# Altium PCB MB1635.PcbDoc (part 7 of 10) (continued)
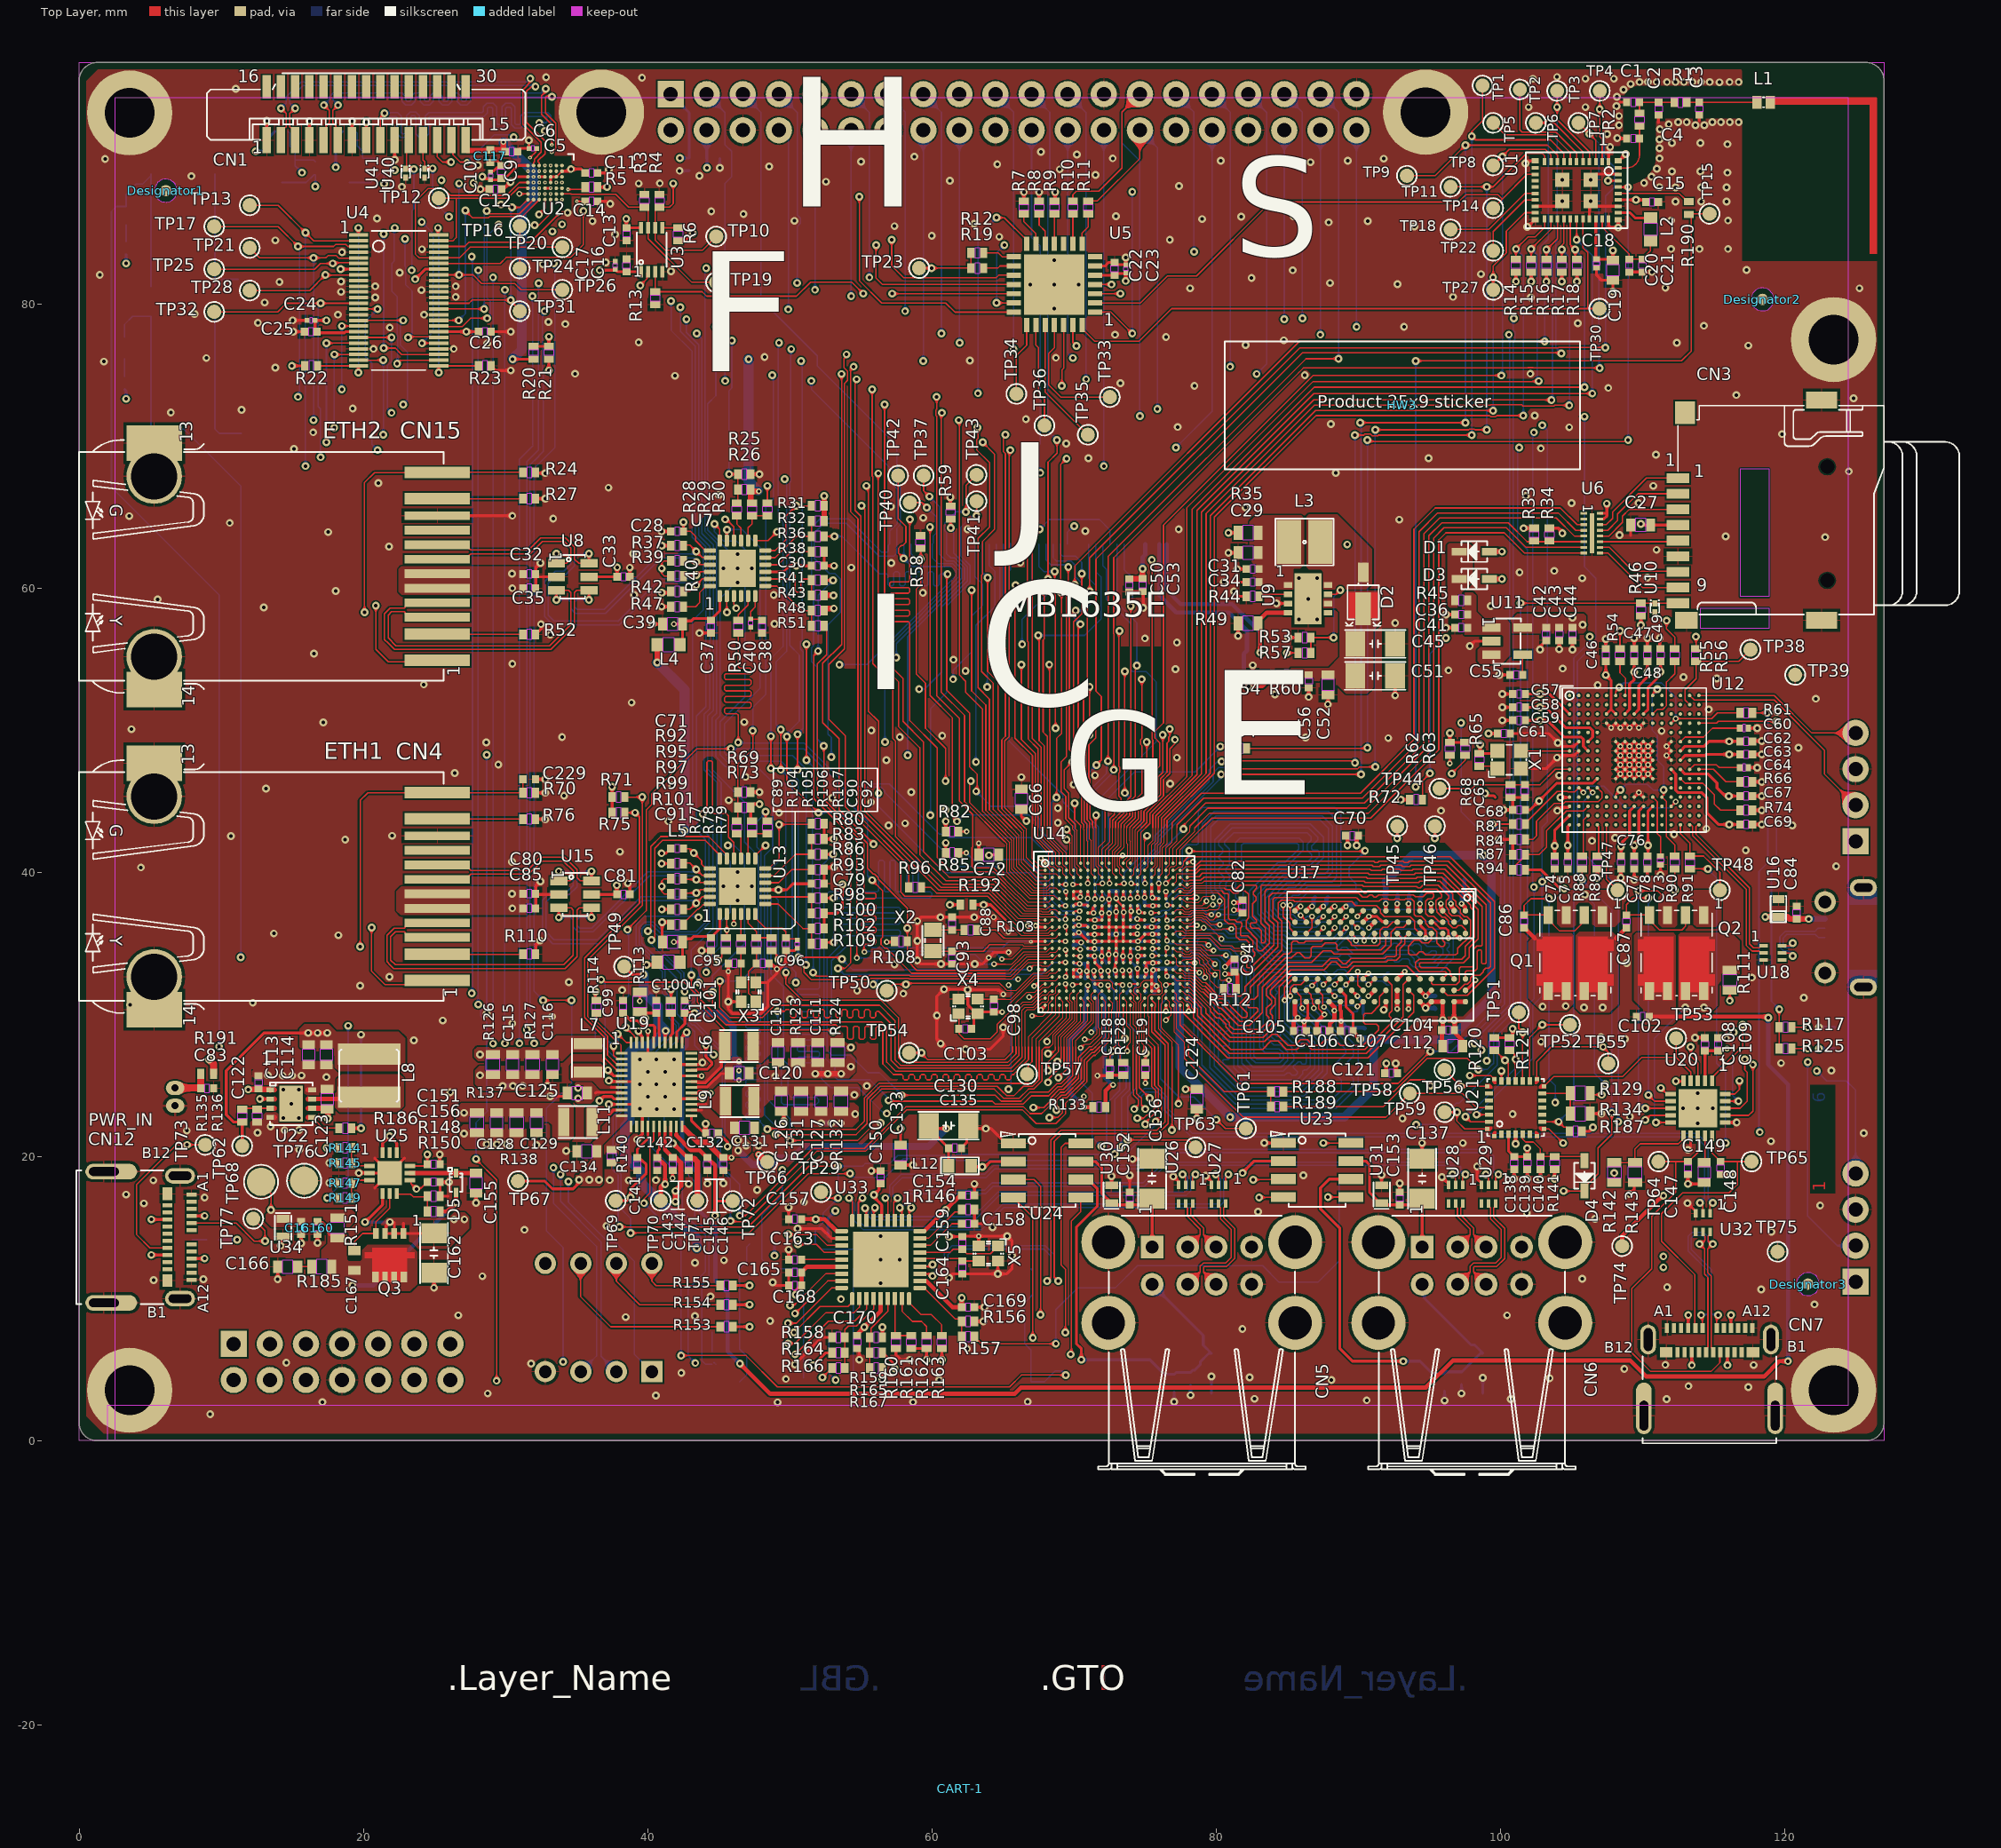
[diagram p0: Top Layer view]
## Nets (pads, with @x,y where several pads share a name; then routed paths per layer and width w, separated by ;. In a path a pad name is that pad's centre, name@x,y a point inside that pad or via, vN(x,y) a via of type N, cw(c..) or ccw(c..) an arc to the next point about the centre after c; other vN are vias at no path point) (continued)
NetC151_2: C151.2 CN12.B5 TP73.1 U25.9 | length 32.6
  Top Layer w0.1: CN12.B5@6.21,13.575 4.975,13.575 4.05,14.5 4.05,18.04 6.838,20.828 v1(7.597,20.828) TP73.1@8.456,20.828 ; U25.9@23.27,19.339 24.37,19.339 C151.2@24.495,19.464 24.5,19.47 v1(24.5,20.15)
  Signal Layer 2 w0.1: v1(7.597,20.828) 14.147,20.828 16.05,18.925 18.025,18.925 18.875,18.075 22.505,18.075 24.5,20.07 v1(24.5,20.15)
NetC155_1: C155.1 D5.2 U25.8 | length 4.6
  Top Layer w0.3: U25.8@23.27,18.839 D5.2@26.52,18.839 C155.1@27.92,18.839
NetC156_2: C156.2 CN12.A5 TP77.1 U25.7 | length 22.6
  Top Layer w0.1: CN12.A5@7.91,15.325 11.05,15.325 12.325,14.05 v1(13.076,14.05) 13.076,14.799 TP77.1@12.25,15.625 ; U25.7@23.27,18.339 U25.7@23.352,18.257 ; U25.7@23.359,18.25 U25.7@23.352,18.257 ; C156.2@24.459,18.25 C156.2@24.495,18.214 ; C156.2@24.5,18.225 24.5,18.195 24.29,17.984 24.259,17.984 24.063,17.788 23.788,17.788 v1(23.725,17.725) 23.352,18.098 U25.7@23.352,18.257
  Signal Layer 2 w0.1: v1(13.076,14.05) 13.626,14.6 22.175,14.6 23.725,16.15 23.725,16.6 v1(23.725,17.725)
NetC158_2: C158.2 U33.34 | length 3.6
  Top Layer w0.1: U33.34@59.15,13.75 59.9,13.75 61.425,15.275 C158.2@62.1,15.275
NetC159_2: C159.2 U33.33 X5.1 | length 5.9
  Top Layer w0.1: U33.33@59.15,13.25 61.275,13.25 61.5,13.475 C159.2@62.15,13.475 62.45,13.175 64.125,13.175 X5.1@64.65,13.7
NetC160_1: C160.1 C167.2 D5.1 Q3.5 Q3.6 Q3.7 Q3.8 R150.2 R151.2 R185.2 | length 13.9
  Top Layer w0.2: C160.1@16.77,15.439 16.841,15.368 17.141,15.368 17.52,14.989 17.52,14.623 17.628,14.514 17.652,14.514 17.657,14.509 17.95,14.509 R151.2@18.17,14.289
  Top Layer w0.3: R150.2@25.395,16.139 25.895,16.139 v1(26.52,16.764) D5.1@26.52,17.489
  Bottom Layer w0.3: v1(19.225,10.929) 20.684,10.929 v1(26.52,16.764)
NetC161_2: C161.2 CN12.A4 CN12.A9 CN12.B4 CN12.B9 R151.1 TP68.1 U34.1 | length 6.4
  Top Layer w0.1: TP68.1@12.8,18.225 12.8,18.081 13.5,17.381 v1(13.5,16.25)
  Top Layer w0.2: v1(5.075,13.075) CN12.B4@6.21,13.075 ; v1(5.075,15.575) CN12.B9@6.21,15.575 ; CN12.A9@7.91,12.825 v1(8.825,12.825) ; CN12.A4@7.91,15.825 v1(8.825,15.825)
NetC163_2: C163.2 U33.14 | length 2.8
  Top Layer w0.1: C163.2@50.825,12.75 U33.14@53.65,12.75
NetC164_2: C164.2 U33.32 X5.3 | length 4.3
  Top Layer w0.1: U33.32@59.15,12.75 59.225,12.825 61.975,12.825 C164.2@62.15,12.65 X5.3@63.3,12.65
NetC166_2: C166.2 R185.1 | length 1
  Top Layer w0.1: C166.2@15.375,12.25 R185.1@16.375,12.25
NetC167_1: C167.1 Q3.4 U25.5 | length 5.8
  Top Layer w0.1: C167.1@19.37,13.139 19.37,14.014 19.945,14.589 Q3.4@20.87,14.589 20.87,15.389 21.845,16.364 U25.5@21.845,17.414
NetC216_1: C216.1 U14.W15 | length 1
  Top Layer w0.1: U14.W15@74.974,31.65 74.975,31.919 75.054,31.997 v2(75.054,32.051)
  Bottom Layer w0.2: C216.1@75.025,31.5 75.1,31.575 75.054,31.621 v2(75.054,32.051)
NetC217_1: C217.1 U14.V14 | length 1.3
  Top Layer w0.1: v2(73.925,32.075) 74.081,32.075 74.156,32.15 U14.V14@74.474,32.15
  Bottom Layer w0.2: C217.1@73.725,31.475 73.725,31.575 73.925,31.775 v2(73.925,32.075)
NetC219_1: C219.1 C220.2 R133.1 U14.W7 | length 10.5
  Top Layer w0.09: U14.W7@70.975,31.65 v2(70.975,32.05)
  Top Layer w0.3: v2@70.75,23.475 R133.1@71.325,23.475
  Bottom Layer w0.3: v2@70.725,23.5 69.675,24.55 69.675,28.175 70.755,29.255 C220.2@70.755,30.545 70.755,31.12 C219.1@70.88,31.245 70.88,31.955 v2(70.975,32.05)
  other v2: 70.725,23.475
NetC221_2: C221.2 C222.2 CN7.A4 CN7.A9 CN7.B4 CN7.B9 R111.1 R129.2 R142.2 TP74.1 U20.9 U36.1 | length 12.7
  Top Layer w0.1: R129.2@106.325,24.45 106.425,24.35 v1(107.15,24.35) ; v1(108.025,18.85) R142.2@108.025,18.175 108.025,18.125 R142.2@108.05,18.1 ; v1(110.2,22.575) 110.525,22.9 U20.9@111.975,22.9 ; v1(116.15,30.975) R111.1@116.15,31.725
  Top Layer w0.2: CN7.A4@113.225,7.935 v1(113.225,8.85) ; v1(113.475,5.32) CN7.B9@113.475,6.235 ; v1(115.975,5.32) CN7.B4@115.975,6.235 ; CN7.A9@116.225,7.935 v1(116.225,8.85)
  Top Layer w0.3: TP74.1@108.575,13.7 108.584,13.709 108.584,14.434 111.381,17.231 111.456,17.231 v1(111.475,17.25)
  other v1: 111.475,12.2 111.475,12.975
NetC224_2: C224.2 C226.2 CN6.B1 U23.6 U38.1 | length 32.4
  Top Layer w0.2: U23.6@89.475,18.415 87.965,18.415 87.35,17.8 87.35,16.325 88.7,14.975 88.7,6.5 89.6,5.6 v1(93.175,5.6)
  Bottom Layer w0.2: v1(93.175,5.6) 94.35,5.6 95.225,4.725 U38.1@96.075,4.725 96.2,4.85 C226.2@97.275,4.85 97.3,4.85 97.455,5.005 97.985,5.535 97.985,5.55 98.585,6.15 C224.2@98.775,6.15 98.175,6.75 97.925,6.75 94.648,10.027 94.648,10.862 CN6.B1@94.5,11.01
NetC225_2: C225.2 C227.2 CN5.B1 U24.6 U39.1 | length 31.1
  Top Layer w0.2: U24.6@70.475,18.39 70.985,18.39 71.65,17.725 71.65,16.525 70.175,15.05 70.175,6.825 70.525,6.475 v1(70.525,5.7)
  Bottom Layer w0.2: v1(70.525,5.7) 75.35,5.7 76.375,4.675 U39.1@77.05,4.675 77.175,4.8 C227.2@78.2,4.8 78.355,4.955 78.48,4.955 78.885,5.36 78.885,5.55 79.485,6.15 C225.2@79.675,6.15 79.1,6.725 79.1,7.41 CN5.B1@75.5,11.01
NetC229_2: C229.2 CN4.12 R70.2 R104.2 U13.2 | length 51.1
  Top Layer w0.1: v1(19.775,34.775) 19.775,45.075 20.31,45.61 CN4.12@25.2,45.61 31.215,45.61 R70.2@31.225,45.6 C229.2@31.225,46.55 ; R104.2@45.5,35.4 45.575,35.475 v2(45.575,35.95) U13.2@45.575,37.075
  Signal Layer 2 w0.219: v1(19.775,34.775) 19.844,34.775 20.069,34.55 23.717,34.55 40.575,34.55 41.975,35.95 v2(45.575,35.95)
NetCN3_1: CN3.1 U6.14 | length 7.1
  Top Layer w0.1: U6.14@107.025,64.475 107.46,64.475 107.9,64.915 107.9,65.365 110.285,67.75 CN3.1@112.5,67.75
NetCN3_2: CN3.2 U6.13 | length 6.8
  Top Layer w0.1: U6.13@107.025,64.075 107.555,64.075 108.25,64.77 108.25,65.22 109.68,66.65 CN3.2@112.5,66.65
NetCN3_3: CN3.3 U6.12 | length 6.5
  Top Layer w0.1: U6.12@107.025,63.675 107.65,63.675 108.6,64.625 108.6,65.075 109.075,65.55 CN3.3@112.5,65.55
NetCN3_5: CN3.5 U6.11 | length 5.5
  Top Layer w0.1: U6.11@107.025,63.275 112.425,63.275 CN3.5@112.5,63.35
NetCN3_7: CN3.7 U6.10 | length 6.2
  Top Layer w0.1: U6.10@107.025,62.875 107.675,62.875 109.35,61.2 112.45,61.2 CN3.7@112.5,61.15
NetCN3_8: CN3.8 U6.9 | length 6.5
  Top Layer w0.1: U6.9@107.025,62.475 107.575,62.475 110,60.05 CN3.8@112.5,60.05
NetCN4_1: CN4.1 U13.3 | length 35
  Top Layer w0.1: v1(20.575,36.125) 20.575,33.05 21.525,32.1 24.91,32.1 CN4.1@25.2,32.39 ; v2(46.072,36.371) 46.072,37.072 U13.3@46.075,37.075
  Signal Layer 2 w0.1: v1(20.575,36.125) 38.075,36.125 38.9,36.95 41.4,36.95 41.979,36.371 v2(46.072,36.371)
NetCN4_2: CN4.2 R110.2 | length 4
  Top Layer w0.1: CN4.2@27.2,34.23 31.205,34.23 R110.2@31.225,34.25
NetCN4_11: CN4.11 R76.2 | length 6
  Top Layer w0.1: CN4.11@25.2,43.77 31.205,43.77 R76.2@31.225,43.75
NetCN15_1: CN15.1 U7.3 | length 34.5
  Top Layer w0.1: v1(20.875,58.775) 20.875,55.7 21.75,54.825 25.105,54.825 CN15.1@25.2,54.92 ; U7.3@46.075,59.45 46.075,58.872 46.225,58.722 v1(46.225,58.6)
  Signal Layer 2 w0.1: v1@20.875,58.75 39.197,58.75 39.622,59.175 41.3,59.175 41.75,58.725 46.1,58.725 v1(46.225,58.6)
NetCN15_2: CN15.2 R52.2 | length 6
  Top Layer w0.1: CN15.2@25.2,56.76 31.215,56.76 R52.2@31.225,56.75
NetCN15_11: CN15.11 R27.2 | length 6
  Top Layer w0.1: CN15.11@25.2,66.3 R27.2@31.225,66.3
NetCN15_12: CN15.12 R24.2 U7.2 | length 47.3
  Top Layer w0.1: v1(20.075,58.3) 20.075,67.429 20.786,68.14 CN15.12@25.2,68.14 25.222,68.162 31.213,68.162 R24.2@31.225,68.15 ; v1(45.575,58.3) U7.2@45.575,59.45
  Signal Layer 2 w0.1: v1(20.075,58.3) 20.125,58.25 45.525,58.25 v1(45.575,58.3)
NetD1_2: D1.2 D3.2 R45.1
NetD2_1: D2.1 L3.2 U9.8
NetL2_1: L2.1 U1.34 | length 2.4
  Top Layer w0.2: U1.34@108.3,86.425 109.125,86.425 109.5,86.05 L2.1@110.575,86.05
NetL6_1: L6.1 U19.29 | length 4.2
  Top Layer w0.2: U19.29@43.075,25.275 43.456,25.275 43.53,25.201 44.076,25.201 45.192,26.317 45.192,27.517 L6.1@45.475,27.8
NetL7_1: L7.1 U19.7 | length 0.7
  Top Layer w0.2: 37.428,24.875 U19.7@38.175,24.875
NetL8_1: L8.1 U22.7 | length 3.6
  Top Layer w0.3: U22.7@16.4,24.05 L8.1@20,24.05
NetL9_1: L9.1 U19.25 | length 1
  Top Layer w0.2: U19.25@43.075,23.675 43.525,23.675 43.549,23.651 44.076,23.651 44.1,23.675
NetL11_1: L11.1 U19.11 | length 1
  Top Layer w0.2: 37.275,22.95 37.6,23.275 U19.11@38.175,23.275
NetL12_2: L12.2 U23.2 U24.2 | length 25
  Top Layer w0.2: L12.2@62.775,19.35 62.85,19.275 v1(63.55,19.275) 63.75,19.275 64.135,19.66 U24.2@65.725,19.66 ; v1(81.854,18.851) 81.854,18.854 82.685,19.685 U23.2@84.725,19.685
  Signal Layer 2 w0.2: v1(63.55,19.275) 63.55,19.325 63.575,19.35 77.295,19.35 77.37,19.425 81.225,19.425 81.799,18.851 v1(81.854,18.851)
NetLD1_1: LD1.1 R152.1 | length 1
  Bottom Layer w0.1: LD1.1@7.95,14.15 R152.1@8.975,14.15
NetLD2_1: LD2.1 R157.1 | length 36.6
  Top Layer w0.1: R157.1@63,7.325 63,7.23 63.205,7.025 63.3,7.025 63.5,6.825 v1(68.725,6.825)
  Bottom Layer w0.1: v1(68.725,6.825) 68.725,9.225 70.25,10.75 72.9,10.75 74.475,12.325 83.275,12.325 84.425,11.175 87.175,11.175 88.65,12.65 LD2.1@88.65,18.3 LD2.1@88.47,18.48
NetLD3_1: LD3.1 R172.1 | length 1.2
  Bottom Layer w0.1: R172.1@3.305,84.388 LD3.1@3.305,85.563
NetLD4_1: LD4.1 R174.1 | length 1.3
  Bottom Layer w0.1: R174.1@3.205,74.888 LD4.1@3.205,76.163
NetLD5_1: LD5.1 R125.1 | length 2.2
  Top Layer w0.1: R125.1@120.525,27.6 v1(121.625,27.6)
  Bottom Layer w0.1: LD5.1@120.525,27.6 v1(121.625,27.6)
NetLD5_2: LD5.2 R117.1 | length 2.1
  Top Layer w0.1: R117.1@120.525,29.1 v1@121.5,29.1
  Bottom Layer w0.1: LD5.2@120.525,29.1 v1(121.625,29.1)
NetLD6_1: LD6.1 R184.2 | length 1.4
  Bottom Layer w0.1: R184.2@44.525,6.275 LD6.1@44.525,7.675
NetLD7_1: LD7.1 R183.2 | length 1.4
  Bottom Layer w0.1: R183.2@52.75,6.275 LD7.1@52.75,7.675
NetR3_1: R3.1 TP19.1 U2.A6 U3.7 | length 14.6
  Top Layer w0.1: U2.A6@33.975,87.75 34.6,87.75 34.625,87.725 37.75,87.725 38.66,86.815 R3.1@39.765,86.815 39.835,86.815 40.04,86.61 U3.7@40.04,85.365 40.04,84.599 43.114,81.525 TP19.1@44.823,81.525
NetR4_1: R4.1 TP10.1 U2.F3 U3.6 | length 29.5
  Top Layer w0.1: v1(41.8,88.475) 41.8,87.075 41.54,86.815 R4.1@40.84,86.815 40.745,86.815 40.54,86.61 U3.6@40.54,85.365 40.54,84.494 41.258,83.775 43.848,83.775 TP10.1@44.823,84.75
  Signal Layer 1 w0.1: v1(27.75,88.525) 29.3,88.525 29.775,89 31.898,89 31.948,88.95 v3(31.975,88.95)
  Signal Layer 2 w0.1: v1(27.75,88.525) 29.25,88.525 29.75,89.025 30.629,89.025 31.879,87.775 41.1,87.775 v1(41.8,88.475)
NetR5_2: R5.2 U2.B4 | length 2.3
  Top Layer w0.1: v3(34.4,88.07) 35.445,88.07 R5.2@35.6,88.225
  Signal Layer 1 w0.1: v3(33.575,88.55) 34.055,88.07 v3(34.4,88.07)
NetR6_1: R6.1 U3.5 | length 1.1
  Top Layer w0.1: U3.5@41.04,85.365 R6.1@42.14,85.365
NetR7_2: R7.2 U5.13 | length 2.5
  Top Layer w0.1: R7.2@66.475,86.35 66.475,85.8 67.325,84.95 U5.13@67.325,84.225
NetR8_2: R8.2 U5.12 | length 2.3
  Top Layer w0.1: R8.2@67.55,86.35 67.55,85.55 67.975,85.125 U5.12@67.975,84.225
NetR9_2: R9.2 U5.11 | length 2.1
  Top Layer w0.1: U5.11@68.625,84.225 R9.2@68.625,86.35
NetR10_2: R10.2 U5.9 | length 2.1
  Top Layer w0.1: U5.9@69.925,84.225 R10.2@69.925,86.35
NetR11_2: R11.2 U5.8 | length 2.3
  Top Layer w0.1: U5.8@70.575,84.225 70.575,85 71,85.425 R11.2@71,86.35
NetR12_2: R12.2 U5.15 | length 2.2
  Top Layer w0.1: R12.2@63.65,83.6 64.675,83.6 64.95,83.325 U5.15@65.775,83.325
NetR19_2: R19.2 U5.16 | length 2.2
  Top Layer w0.1: R19.2@63.65,82.525 64.65,82.525 64.8,82.675 U5.16@65.775,82.675
NetR22_1: R22.1 U4.1 U4.24 | length 14
  Top Layer w0.1: R22.1@16.775,75.65 U4.24@19.65,75.65 v1(19.65,75.175) ; U4.1@19.65,84.85 v1(19.65,85.35)
  Bottom Layer w0.1: v1(19.65,75.175) v1(19.65,85.35)
NetR23_1: R23.1 U4.25 U4.48 | length 14
  Top Layer w0.1: v1(25.25,85.35) 25.25,84.9 U4.48@25.3,84.85 ; v1(25.3,75.175) U4.25@25.3,75.65 R23.1@28.1,75.65
  Bottom Layer w0.1: v1(25.25,85.35) 25.3,85.3 v1(25.3,75.175)
NetR28_2: R28.2 U7.15 | length 1.9
  Top Layer w0.1: R28.2@46.275,65.1 46.275,64.525 46.575,64.225 U7.15@46.575,63.35
NetR29_1: R29.1 R30.2 U7.14 | length 2.9
  Top Layer w0.1: U7.14@47.075,63.35 47.075,64.25 47.35,64.525 R29.1@47.35,65.1 R30.2@48.425,65.1
NetR32_1: R32.1 R36.2 U7.11 | length 4.9
  Top Layer w0.1: U7.11@48.275,62.15 48.975,62.15 50.475,63.65 R36.2@51.525,63.65 R32.1@51.525,64.725
NetR38_1: R38.1 U7.10 | length 3.6
  Top Layer w0.1: U7.10@48.275,61.65 49.175,61.65 50.1,62.575 R38.1@51.525,62.575
NetR41_2: R41.2 R43.1 U7.8 | length 6.5
  Top Layer w0.1: U7.8@48.275,60.65 49.838,60.65 49.889,60.65 49.989,60.75 49.989,60.9 50.089,61 50.289,61 50.389,60.9 50.389,59.831 50.489,59.731 50.689,59.731 50.789,59.831 50.789,60.55 50.889,60.65 51.09,60.65 51.45,60.65 R41.2@51.525,60.575 R43.1@51.525,59.5
NetR44_2: R44.2 U9.2 | length 2.1
  Top Layer w0.1: R44.2@83.025,59.425 83.175,59.575 U9.2@85.075,59.575
NetR47_1: R47.1 U7.24 | length 2.9
  Top Layer w0.1: R47.1@42.525,58.7 43.375,58.7 43.65,58.975 43.65,59.675 44.125,60.15 U7.24@44.375,60.15
NetR48_1: R48.1 R51.2 U7.7 | length 5
  Top Layer w0.1: U7.7@48.275,60.15 49.1,60.15 50.825,58.425 R48.1@51.525,58.425 R51.2@51.525,57.35
NetR50_2: R50.2 U7.5 | length 2
  Top Layer w0.1: R50.2@46.375,57.75 46.375,58.125 47.075,58.825 U7.5@47.075,59.45
NetR53_2: R53.2 R57.2 U9.7 | length 7.2
  Top Layer w0.1: R57.2@86.675,55.45 R53.2@86.675,56.525 v1(88.275,56.525) ; U9.7@87.875,59.575 88.45,59.575 v1(88.75,59.875)
  Bottom Layer w0.1: v1(88.275,56.525) 88.275,59.4 v1(88.75,59.875)
NetR54_1: R54.1 U12.A7 | length 2.6
  Top Layer w0.1: R54.1@108.425,54.85 108.425,54.05 108.825,53.65 108.825,52.584 108.804,52.562 108.804,52.479 U12.A7@108.775,52.45
NetR55_1: R55.1 U12.C10 | length 4.6
  Top Layer w0.1: U12.C10@110.725,51.15 111.05,51.475 111.439,51.475 111.7,51.736 111.7,53.4 112.275,53.975 R55.1@112.275,54.85
NetR56_2: R56.2 TP38.1 U12.B14 | length 7.7
  Top Layer w0.1: U12.B14@113.325,51.8 113,52.125 113,52.85 113.775,53.625 R56.2@113.775,54.85 116.775,54.85 TP38.1@117.6,55.675
NetR64_2: R64.2 U14.C10 | length 16.9
  Top Layer w0.09: U14.C10@72.475,39.65 72.488,39.638 72.488,39.163 v2@72.5,39.15
  Top Layer w0.1: v1(80.304,48.852) 81.123,48.852 R64.2@81.25,48.725
  Bottom Layer w0.09: 72.425,43.125 72.425,39.444 72.443,39.426 72.443,39.282 v2(72.5,39.225)
  Bottom Layer w0.1: 72.425,43.125 72.425,45.233 74.267,47.075 78.527,47.075 80.177,48.725 v1@80.3,48.725
NetR65_2: R65.2 X1.1 | length 1.3
  Top Layer w0.1: R65.2@98.525,47.475 99.625,47.475 X1.1@99.8,47.3
NetR66_2: R66.2 U12.J15 | length 3.2
  Top Layer w0.1: U12.J15@113.975,47.25 115,47.25 115.875,46.375 R66.2@116.85,46.375
NetR77_2: R77.2 U13.15 | length 2.1
  Top Layer w0.1: R77.2@46.275,42.725 46.575,42.725 U13.15@46.575,40.975
NetR78_1: R78.1 R79.2 U13.14 | length 3.1
  Top Layer w0.1: U13.14@47.075,40.975 47.075,42.725 R78.1@47.35,42.725 R79.2@48.425,42.725
NetR83_1: R83.1 R86.2 U13.11 | length 4.9
  Top Layer w0.1: U13.11@48.275,39.775 48.9,39.775 50.4,41.275 R86.2@51.525,41.275 R83.1@51.525,42.35
NetR84_2: R84.2 U12.L4 | length 8
  Top Layer w0.1: R84.2@101.775,42.325 102.3,42.325 102.55,42.575 102.55,43.6 103.8,44.85 104.45,44.85 104.575,44.975 106.889,44.975 107.15,45.236 107.15,45.625 U12.L4@106.825,45.95
NetR85_2: R85.2 U14.J5 | length 11.8
  Top Layer w0.09: R85.2@61.875,41.375 v2(62.425,41.375) ; U14.J5@69.975,36.65 70.167,36.65 70.292,36.775 v2(70.35,36.775) v2@70.392,36.775
  Bottom Layer w0.09: v2(62.425,41.375) 63.025,40.775 64.5,40.775 64.65,40.925 66.575,40.925 68.075,39.425 68.075,38 69.025,37.05 70.075,37.05 v2(70.35,36.775)
NetR87_2: R87.2 R94.1 U12.N3 | length 7.9
  Top Layer w0.1: R94.1@100.875,40.175 100.875,40.3 101.775,41.2 R87.2@101.775,41.25 102.725,41.25 103.25,41.775 103.25,42.925 104.65,44.325 105.85,44.325 U12.N3@106.175,44.65
NetR91_2: R91.2 TP48.1 U12.R13 | length 6.3
  Top Layer w0.1: U12.R13@112.675,43.35 112.675,42.725 113.35,42.05 R91.2@113.35,41.15 114.3,41.15 114.775,40.675 ; 114.776,40.675 115.025,40.426 115.45,40 TP48.1@115.45,38.75
NetR93_1: R93.1 U13.10 | length 3.6
  Top Layer w0.1: U13.10@48.275,39.275 49.225,39.275 50.15,40.2 R93.1@51.525,40.2
NetR96_1: R96.1 U14.J2 | length 10.4
  Top Layer w0.075: 65.175,37.375 65.95,36.6 67.419,36.6 67.619,36.4 68.225,36.4 U14.J2@68.475,36.65
  Top Layer w0.1: R96.1@59.275,38.95 59.925,38.95 60.325,38.55 64,38.55 65.175,37.375
NetR98_2: R98.2 R100.1 U13.8 | length 4.4
  Top Layer w0.1: U13.8@48.275,38.275 51.45,38.275 R98.2@51.525,38.2 R100.1@51.525,37.125
NetR101_1: R101.1 U13.24 | length 2.5
  Top Layer w0.1: R101.1@42.525,36.325 42.525,36.42 43.517,37.413 43.589,37.413 43.891,37.715 44.315,37.715 U13.24@44.375,37.775
NetR102_1: R102.1 R109.2 U13.7 | length 5
  Top Layer w0.1: U13.7@48.275,37.775 49.2,37.775 50.925,36.05 R102.1@51.525,36.05 R109.2@51.525,34.975
NetR103_1: R103.1 U14.L3 | length 6.1
  Top Layer w0.075: 65.175,35.397 68.722,35.397 U14.L3@68.975,35.65
  Top Layer w0.09: 64.5,35.95 65.053,35.397 65.175,35.397
  Top Layer w0.1: R103.1@63.175,35.95 64.5,35.95
NetR105_2: R105.2 U13.4 | length 1.7
  Top Layer w0.1: R105.2@46.575,35.4 U13.4@46.575,37.075
NetR106_2: R106.2 R107.2 U13.5 | length 3
  Top Layer w0.1: U13.5@47.075,37.075 47.075,36.425 47.65,35.85 R106.2@47.65,35.4 R107.2@48.725,35.4
NetR112_2: R112.2 U14.R20 | length 4.4
  Top Layer w0.075: U14.R20@77.474,33.65 77.675,33.85 77.825,33.85 77.862,33.887 ; 77.863,33.887 77.872,33.896 78.271,33.896 78.287,33.896 78.36,33.97 78.668,33.97 78.845,33.793 78.845,33.58 78.96,33.465 79.038,33.465 79.325,33.178 79.325,33.177 79.341,33.161 79.341,32.957 79.557,32.741 79.557,32.419 80.075,31.9 R112.2@80.5,31.9
NetR114_2: R114.2 U19.1 | length 3.6
  Top Layer w0.1: R114.2@36.4,30.1 36.4,29.528 37.375,28.553 37.375,28.549 37.724,28.2 37.776,28.2 38.134,27.842 38.134,27.316 U19.1@38.175,27.275
NetR115_2: R115.2 U19.37 | length 2.2
  Top Layer w0.2: U19.37@41.625,28.025 41.625,28.528 41.752,28.655 41.752,29.973 R115.2@41.625,30.1
NetR128_1: R128.1 U14.W12 | length 5.3
  Top Layer w0.075: 73.263,27.725 73.151,27.836 73.151,30.081 73.228,30.159 73.228,31.403 U14.W12@73.475,31.65
  Top Layer w0.1: 73.263,27.725 73.263,26.83 73.468,26.625 R128.1@73.475,26.625
NetR135_1: R135.1 R136.2 U22.3 | length 2.1
  Top Layer w0.1: R135.1@11.475,23.325 11.55,23.4 12.45,23.4 R136.2@12.525,23.325 12.6,23.4 U22.3@13.45,23.4
NetR140_2: R140.2 U19.13
NetR142_1: R142.1 R143.2 U20.11 | length 6.3
  Top Layer w0.1: R142.1@108.025,19.575 R143.2@109.475,19.575 109.475,20.525 109.85,20.9 112.525,20.9 112.9,21.275 U20.11@112.9,21.475
NetR146_2: R146.2 U33.35 | length 3.8
  Top Layer w0.1: U33.35@59.15,14.25 59.775,14.25 61.625,16.1 61.925,16.1 R146.2@62.1,16.275
NetR148_2: R148.2 R150.1 U25.6 | length 3.3
  Top Layer w0.1: U25.6@22.345,17.36 23.32,17.36 23.52,17.16 24.495,17.16 R150.1@24.495,16.085
NetR153_1: R153.1 SW1.6 | length 13.1
  Top Layer w0.1: SW1.6@35.3,12.485 35.275,12.46 35.275,10.15 37.4,8.025 R153.1@45.1,8.025
NetR154_1: R154.1 SW1.7 | length 9.2
  Top Layer w0.1: SW1.7@37.8,12.485 37.8,11.225 39.45,9.575 R154.1@45.1,9.575
NetR155_1: R155.1 SW1.8 | length 6.2
  Top Layer w0.1: SW1.8@40.3,12.485 40.3,11.225 40.6,10.925 R155.1@45.1,10.925
NetR156_2: R156.2 R157.2 U33.28 | length 5
  Top Layer w0.1: U33.28@59.15,10.75 59.475,10.75 61.65,8.575 61.925,8.575 R156.2@62.1,8.4 R157.2@62.1,7.325
NetR158_2: R158.2 R164.1 R166.2 U33.22 | length 6.1
  Top Layer w0.1: R166.2@53.875,5.125 R164.1@53.875,6.2 R158.2@53.875,7.275 53.875,7.825 54.125,8.075 54.7,8.075 55.9,9.275 U33.22@55.9,10
NetR159_2: R159.2 R165.1 R167.2 U33.24 | length 5.4
  Top Layer w0.1: R167.2@55.625,5.125 R165.1@55.625,6.2 R159.2@55.625,7.275 55.725,7.375 55.725,7.925 56.9,9.1 U33.24@56.9,10
NetR160_2: R160.2 R161.1 U33.25 | length 3.7
  Top Layer w0.1: U33.25@57.4,10 57.4,7.475 R160.2@57.475,7.4 R161.1@58.55,7.4
NetR162_2: R162.2 U33.26 | length 3.7
  Top Layer w0.1: U33.26@57.9,10 57.9,9.125 58.625,8.4 59.275,8.4 59.625,8.05 R162.2@59.625,7.4
NetR163_1: R163.1 U33.27 | length 4
  Top Layer w0.1: U33.27@58.4,10 58.4,9.725 59.25,8.875 59.975,8.875 60.7,8.15 R163.1@60.7,7.4
NetR179_2: R179.2 U17.L8 | length 2.1
  Top Layer w0.2: U17.L8@89.55,31.7 v2(89.95,31.3)
  Bottom Layer w0.2: v2(89.95,31.3) 90.35,30.9 90.35,30.025 R179.2@90.45,29.925
NetR186_1: R186.1 U22.5 | length 2.2
  Top Layer w0.1: U22.5@16.4,22.75 16.5,22.75 16.625,22.625 16.625,22.525 17.15,22 R186.1@18.275,22
NetR190_2: R190.2 U1.37 | length 5.2
  Top Layer w0.1: U1.37@108.3,87.775 112.6,87.775 112.97,87.405 113.07,87.405 R190.2@113.275,87.2
NetR191_1: R191.1 R192.1 U14.L2 | length 76.8
  Top Layer w0.075: 65.175,36.675 66.284,35.566 68.266,35.566 68.327,35.627 68.452,35.627 U14.L2@68.475,35.65
  Top Layer w0.2: R192.1@62.9,37.725 v1(63.65,37.725) 64.125,37.725 65.175,36.675
  Top Layer w0.5: v1(9.15,26.825) 9.15,26.811 9.45,26.511 R191.1@9.45,25.825
  Signal Layer 2 w0.5: v1(9.15,26.825) 9.15,28.575 10.2,29.625 10.2,36.325 13.275,39.4 31.125,39.4 32.325,38.2 35.475,38.2 37.2,39.925 37.825,39.925 40.05,42.15 43.988,42.15 45.188,40.95 49.175,40.95 50.575,39.55 53.216,39.55 53.866,40.2 61.175,40.2 v1(63.65,37.725)
NetTP2_1: TP2.1 U1.6 | length 8.1
  Top Layer w0.1: TP2.1@101.375,95.1 101.375,92.25 101.525,92.1 103.9,92.1 105.375,90.625 U1.6@105.375,90.025
NetTP5_1: TP5.1 U1.7 | length 6.9
  Top Layer w0.1: TP5.1@99.5,92.75 100.35,91.9 103.675,91.9 104.925,90.65 U1.7@104.925,90.025
NetTP12_1: TP12.1 U2.G5 U4.47 | length 10.7
  Top Layer w0.1: U4.47@25.3,84.45 26.3,84.45 26.525,84.675 26.525,87.445 ; TP12.1@25.3,87.55 25.405,87.445 26.525,87.445 ; U2.G5@31.575,88.15 31.548,88.15 31.498,88.2 30.905,88.2 30.15,87.445 26.525,87.445
NetTP16_1: TP16.1 U2.E5 U4.46 | length 13.8
  Top Layer w0.1: U4.46@25.3,84.05 27.125,84.05 27.425,84.35 31,84.35 ; TP16.1@31,85.5 31,84.35 ; v3(33.725,86.325) 31.75,84.35 31,84.35
  Signal Layer 1 w0.1: v3(32.375,88.15) 32.779,88.15 33.059,88.43 33.291,88.43 33.675,88.046 33.675,86.464 33.694,86.444 33.694,86.356 v3(33.725,86.325)
NetTP18_1: TP18.1 U1.17 | length 7
  Top Layer w0.1: TP18.1@96.5,85.25 99.2,85.25 101.725,87.775 U1.17@102.45,87.775
NetTP20_1: TP20.1 U2.G4 U4.44 | length 23.3
  Top Layer w0.1: U2.G4@31.575,88.55 30.972,88.55 30.772,88.35 30.067,87.645 26.13,87.645 25.65,88.125 24.55,88.125 23.65,87.225 23.65,83.525 23.925,83.25 U4.44@25.3,83.25 26.775,83.25 27.525,84 TP20.1@34,84
NetTP22_1: TP22.1 U1.18 | length 5.2
  Top Layer w0.1: TP22.1@99.5,83.75 99.5,85.1 101.725,87.325 U1.18@102.45,87.325
NetTP24_1: TP24.1 U2.E4 U4.43 | length 20.9
  Top Layer w0.1: U4.43@25.3,82.85 29.625,82.85 30.05,83.275 31,83.275 ; TP24.1@31,82.5 31,83.275 ; v1(35.475,86.55) 35.475,84.175 34.575,83.275 31,83.275
  Signal Layer 1 w0.1: v3(32.375,88.55) 32.695,88.87 33.207,88.87 33.367,89.03 34.04,89.03 34.17,89.16 34.17,89.68 34.44,89.95 34.85,89.95 35.475,89.325 v1(35.475,86.55)
NetTP26_1: TP26.1 U2.F4 U4.41 | length 21.5
  Top Layer w0.1: U4.41@25.3,82.05 v1(26.725,82.05) 27.725,82.05 28.325,81.45 30.65,81.45 31.1,81 TP26.1@34,81
  Signal Layer 1 w0.1: v1(26.725,88.475) 27.55,87.65 30.05,87.65 30.95,88.55 v3(31.975,88.55)
  Bottom Layer w0.1: v1(26.725,82.05) v1(26.725,88.475)
NetTP31_1: TP31.1 U2.G7 U4.36 | length 14.1
  Top Layer w0.1: U4.36@25.3,80.05 27.425,80.05 27.654,80.279 v1(30.376,80.279) 30.376,80.199 31,79.575 TP31.1@31,79.5 ; v1(30.45,86.8) 31.025,86.8 U2.G7@31.575,87.35
  Bottom Layer w0.1: v1(30.376,80.279) 30.376,86.726 v1(30.45,86.8)
NetTP33_1: TP33.1 U5.25 | length 9
  Top Layer w0.1: U5.25@68.625,78.525 68.625,76.925 68.225,76.525 68.225,74.303 69.078,73.45 TP33.1@72.525,73.45
NetTP34_1: TP34.1 U5.22 | length 5.2
  Top Layer w0.1: TP34.1@65.95,73.675 65.95,76.375 66.675,77.1 U5.22@66.675,78.525
NetTP35_1: TP35.1 U5.24 | length 9
  Top Layer w0.1: U5.24@67.975,78.525 67.975,73.8 TP35.1@70.975,70.8
NetTP36_1: TP36.1 U5.23 | length 7.3
  Top Layer w0.1: U5.23@67.325,78.525 67.325,77.1 67.5,76.925 67.5,73.725 67.925,73.3 TP36.1@67.925,71.45
NetTP45_1: TP45.1 U14.P18 | length 22.9
  Top Layer w0.1: v2@76.47,34.691 76.493,34.669 76.493,34.561 76.47,34.539 76.47,34.155 U14.P18@76.475,34.15 ; v1(92.75,42.4) TP45.1@92.75,43.25
  Signal Layer 2 w0.1: v2(76.55,34.7) 77.55,34.7 77.925,35.075 77.925,38.575 80.075,40.725 81.275,40.725 91.025,40.725 92.7,42.4 v1(92.75,42.4)
NetTP46_1: TP46.1 U14.P17 | length 27.1
  Top Layer w0.09: v2(75.5,34.125) 75.95,34.125 U14.P17@75.975,34.15
  Top Layer w0.1: v1(95.4,42.4) TP46.1@95.4,43.25
  Signal Layer 2 w0.1: v2(75.5,34.125) 77.85,34.125 78.125,34.4 78.125,38.475 80.175,40.525 81.275,40.525 93.475,40.525 95.35,42.4 v1(95.4,42.4)
NetTP52_1: TP52.1 U20.1 U21.16 | length 25.2
  Top Layer w0.1: U21.16@102.075,25.325 102.075,28.4 v1(102.95,29.275) 104.825,29.275 TP52.1@104.9,29.35 ; U20.1@114.9,25.325 114.9,25.575 117.05,27.725 v1(117.05,29.275)
  Signal Layer 2 w0.1: v1(102.95,29.275) v1(117.05,29.275)
NetTP55_1: TP55.1 U20.3 U21.15 | length 16.4
  Top Layer w0.1: U21.15@102.575,25.45 102.575,26.7 103.6,27.725 v1(107.225,27.725) 107.6,27.35 TP55.1@107.6,26.55 ; v1(113.4,27.725) 113.4,27.075 113.9,26.575 U20.3@113.9,25.325
  Signal Layer 2 w0.1: v1(107.225,27.725) v1(113.4,27.725)
NetTP57_1: TP57.1 U14.W3 | length 6.8
  Top Layer w0.075: 67.05,27.725 67.05,28.35 68.725,30.025 68.725,31.275 68.952,31.502 68.952,31.627 U14.W3@68.975,31.65
  Top Layer w0.1: TP57.1@66.775,25.8 66.775,26.4 67.05,26.675 67.05,27.725
NetU2_C6: U2.C6 U4.27 | length 28
  Top Layer w0.1: v1(21.425,76.9) 22.25,76.9 22.7,76.45 U4.27@25.3,76.45
  Signal Layer 1 w0.1: v3(33.175,87.75) 33.175,85.95 33.525,85.6 v1(33.975,85.6)
  Signal Layer 2 w0.1: v1(21.425,84.925) 22.552,84.925 22.752,85.125 23.479,85.125 23.829,84.775 25.376,84.775 25.526,84.925 32.025,84.925 32.225,85.125 ; 32.226,85.125 32.475,85.374 ; 32.475,85.375 32.7,85.6 v1(33.975,85.6)
  Bottom Layer w0.1: v1(21.425,76.9) v1(21.425,84.925)
NetU2_C7: U2.C7 U4.26 | length 25.8
  Top Layer w0.1: v1(22.375,75.8) 22.625,76.05 U4.26@25.3,76.05 ; v1(32.05,85.55) 32.35,85.55 33.175,86.375 U2.C7@33.175,87.35
  Signal Layer 2 w0.1: v1(22.2,85.35) 24.625,85.35 25.05,85.775 25.426,85.775 26.076,85.125 31.625,85.125 v1(32.05,85.55)
  Bottom Layer w0.1: v1(22.2,85.35) 22.164,85.314 22.164,83.021 22,82.857 22,80.9 22.375,80.525 22.375,77.851 22.4,77.826 22.4,77.474 22.4,75.825 v1(22.375,75.8)
NetU2_D6: U2.D6 U4.30 | length 22.9
  Top Layer w0.1: v1(23.15,77.65) 23.2,77.7 25.25,77.7 U4.30@25.3,77.65
  Signal Layer 1 w0.1: v3(32.775,87.75) 32.775,85.625 v1(33.3,85.1)
  Signal Layer 2 w0.1: v1(22.925,84.575) 25.6,84.575 25.7,84.675 32.875,84.675 v1(33.3,85.1)
  Bottom Layer w0.1: v1(22.925,84.575) 22.925,82.655 22.975,82.605 22.975,82.199 ; 22.976,82.198 22.976,81.372 23.425,80.922 23.425,77.925 v1(23.15,77.65)
NetU2_D7: U2.D7 U4.29 | length 20.3
  Top Layer w0.1: v1(24.125,77.25) U4.29@25.3,77.25 ; v1(32.35,86.3) 32.775,86.725 U2.D7@32.775,87.35
  Signal Layer 2 w0.1: v1(24.1,85.775) 24.4,86.075 25.45,86.075 25.8,85.725 28.813,85.725 29.263,86.175 30.86,86.175 30.985,86.3 v1(32.35,86.3)
  Bottom Layer w0.1: v1(24.1,85.775) 24.9,84.975 24.9,78.025 v1(24.125,77.25)
NetU2_E6: U2.E6 U4.32 | length 14.9
  Top Layer w0.1: U4.32@25.3,78.45 25.325,78.425 26.975,78.425 27.55,79 v1(28.7,79)
  Signal Layer 1 w0.1: v1(29.525,85.6) 30.95,85.6 32.375,87.025 v3(32.375,87.75)
  Bottom Layer w0.1: v1(28.7,79) 28.926,79.226 28.926,80.199 28.701,80.424 28.701,84.776 v1(29.525,85.6)